# Altium PCB uStepper.PcbDoc (part 1 of 2)
Units mm, origin at the board's own origin, x right, y up, seen from the top; angles counter-clockwise.
Board outline 41.8 x 41.8 mm, 6 copper layers (Top Layer, GND, VCC, Signal, GND2, Bottom Layer), stack 1.55 mm thick; 134 components, 102 nets, 474 pads, 434 vias.
Unrouted connection lines stored in the file: 12.
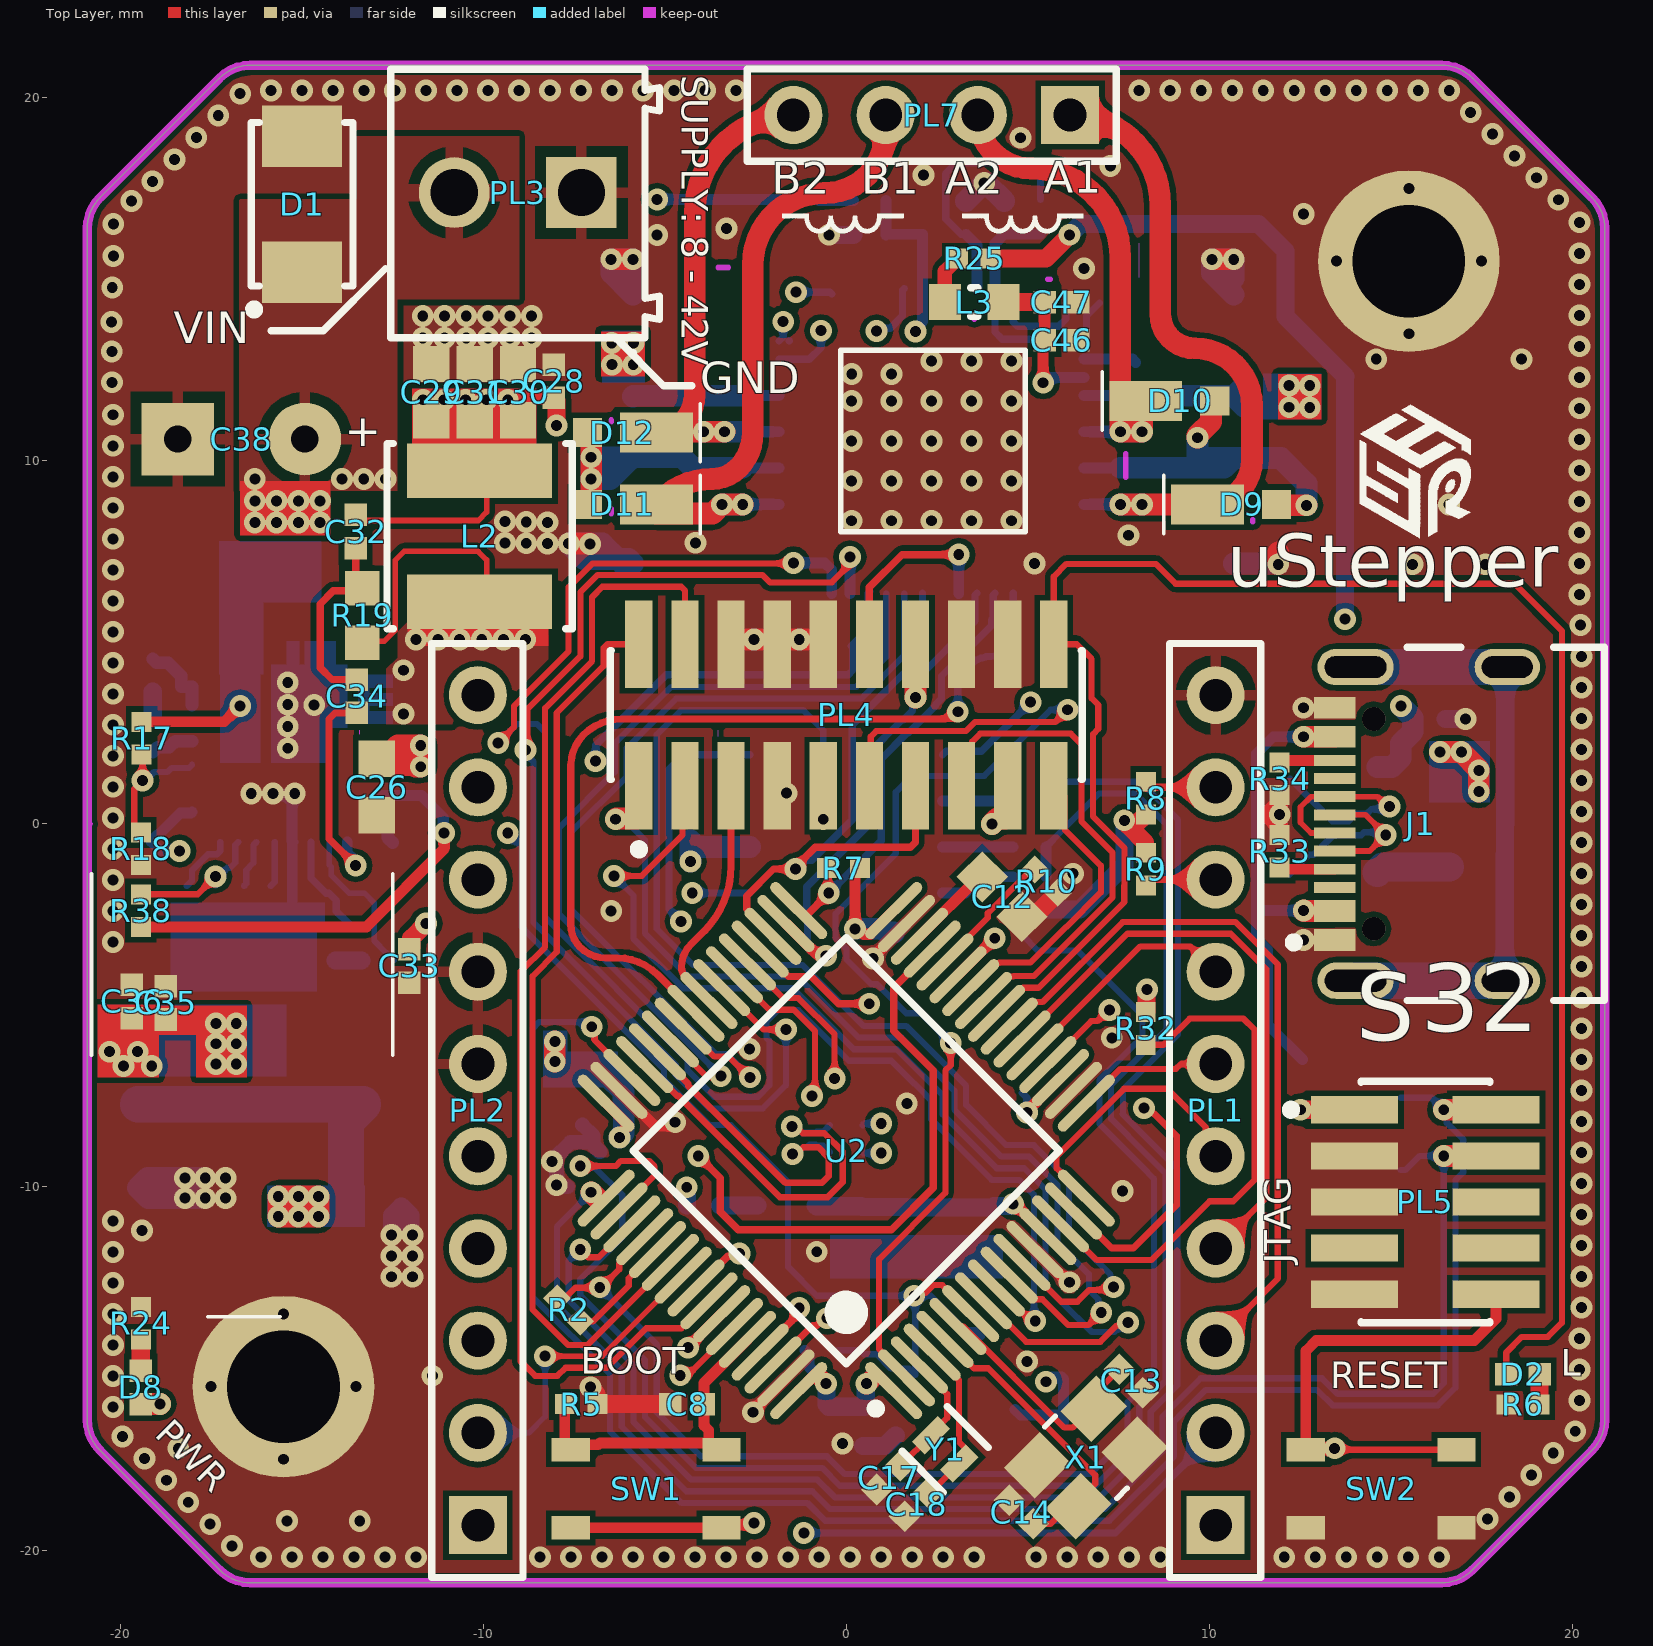
[diagram p0: Top Layer view]
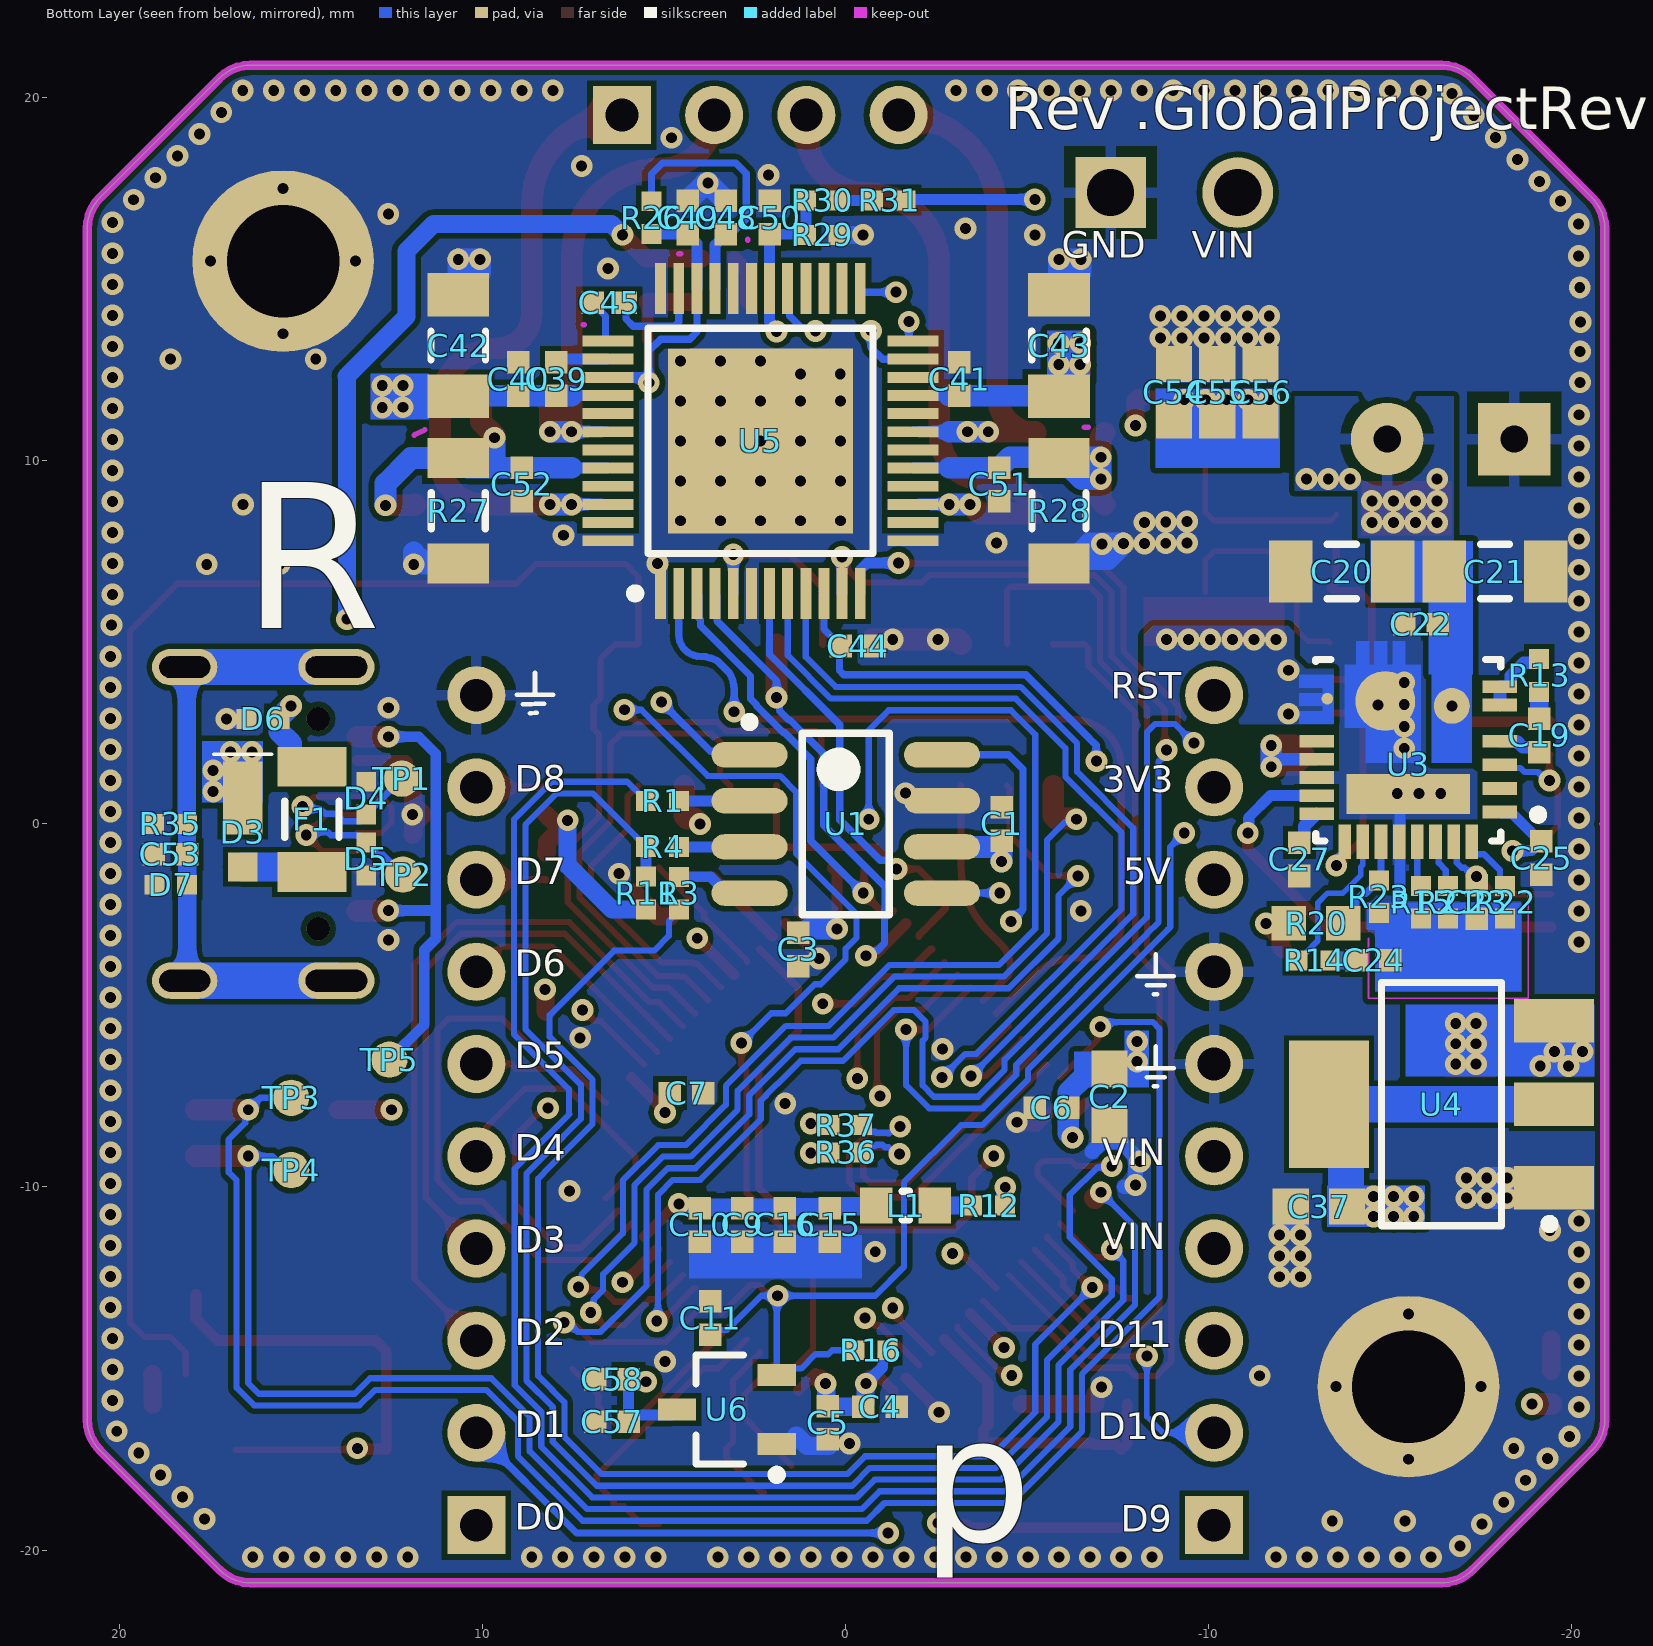
[diagram p1: Bottom Layer view, seen from below]
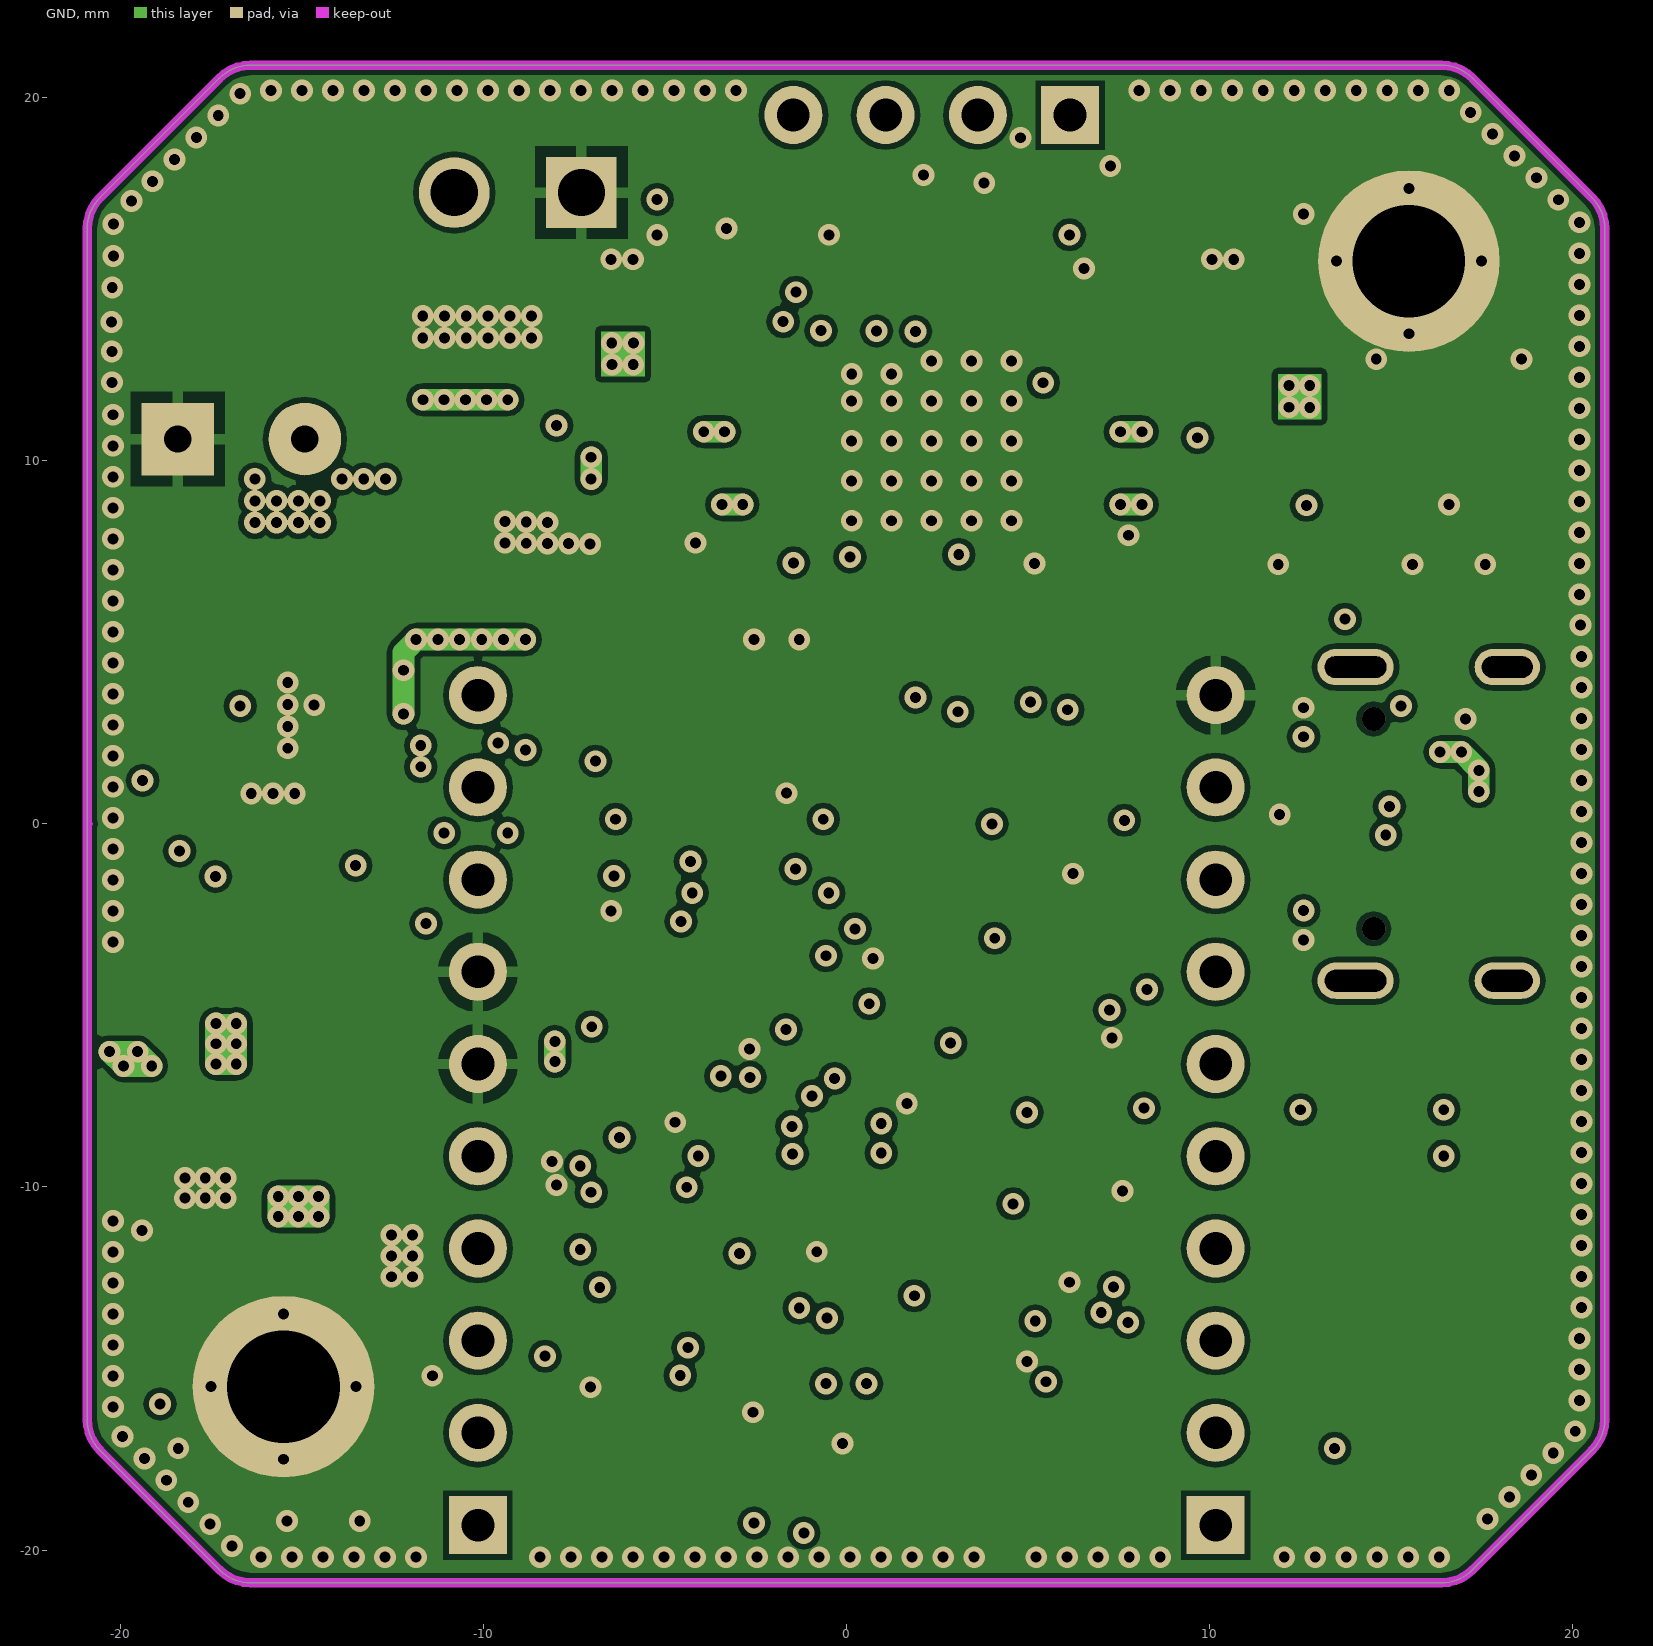
[diagram p2: GND]
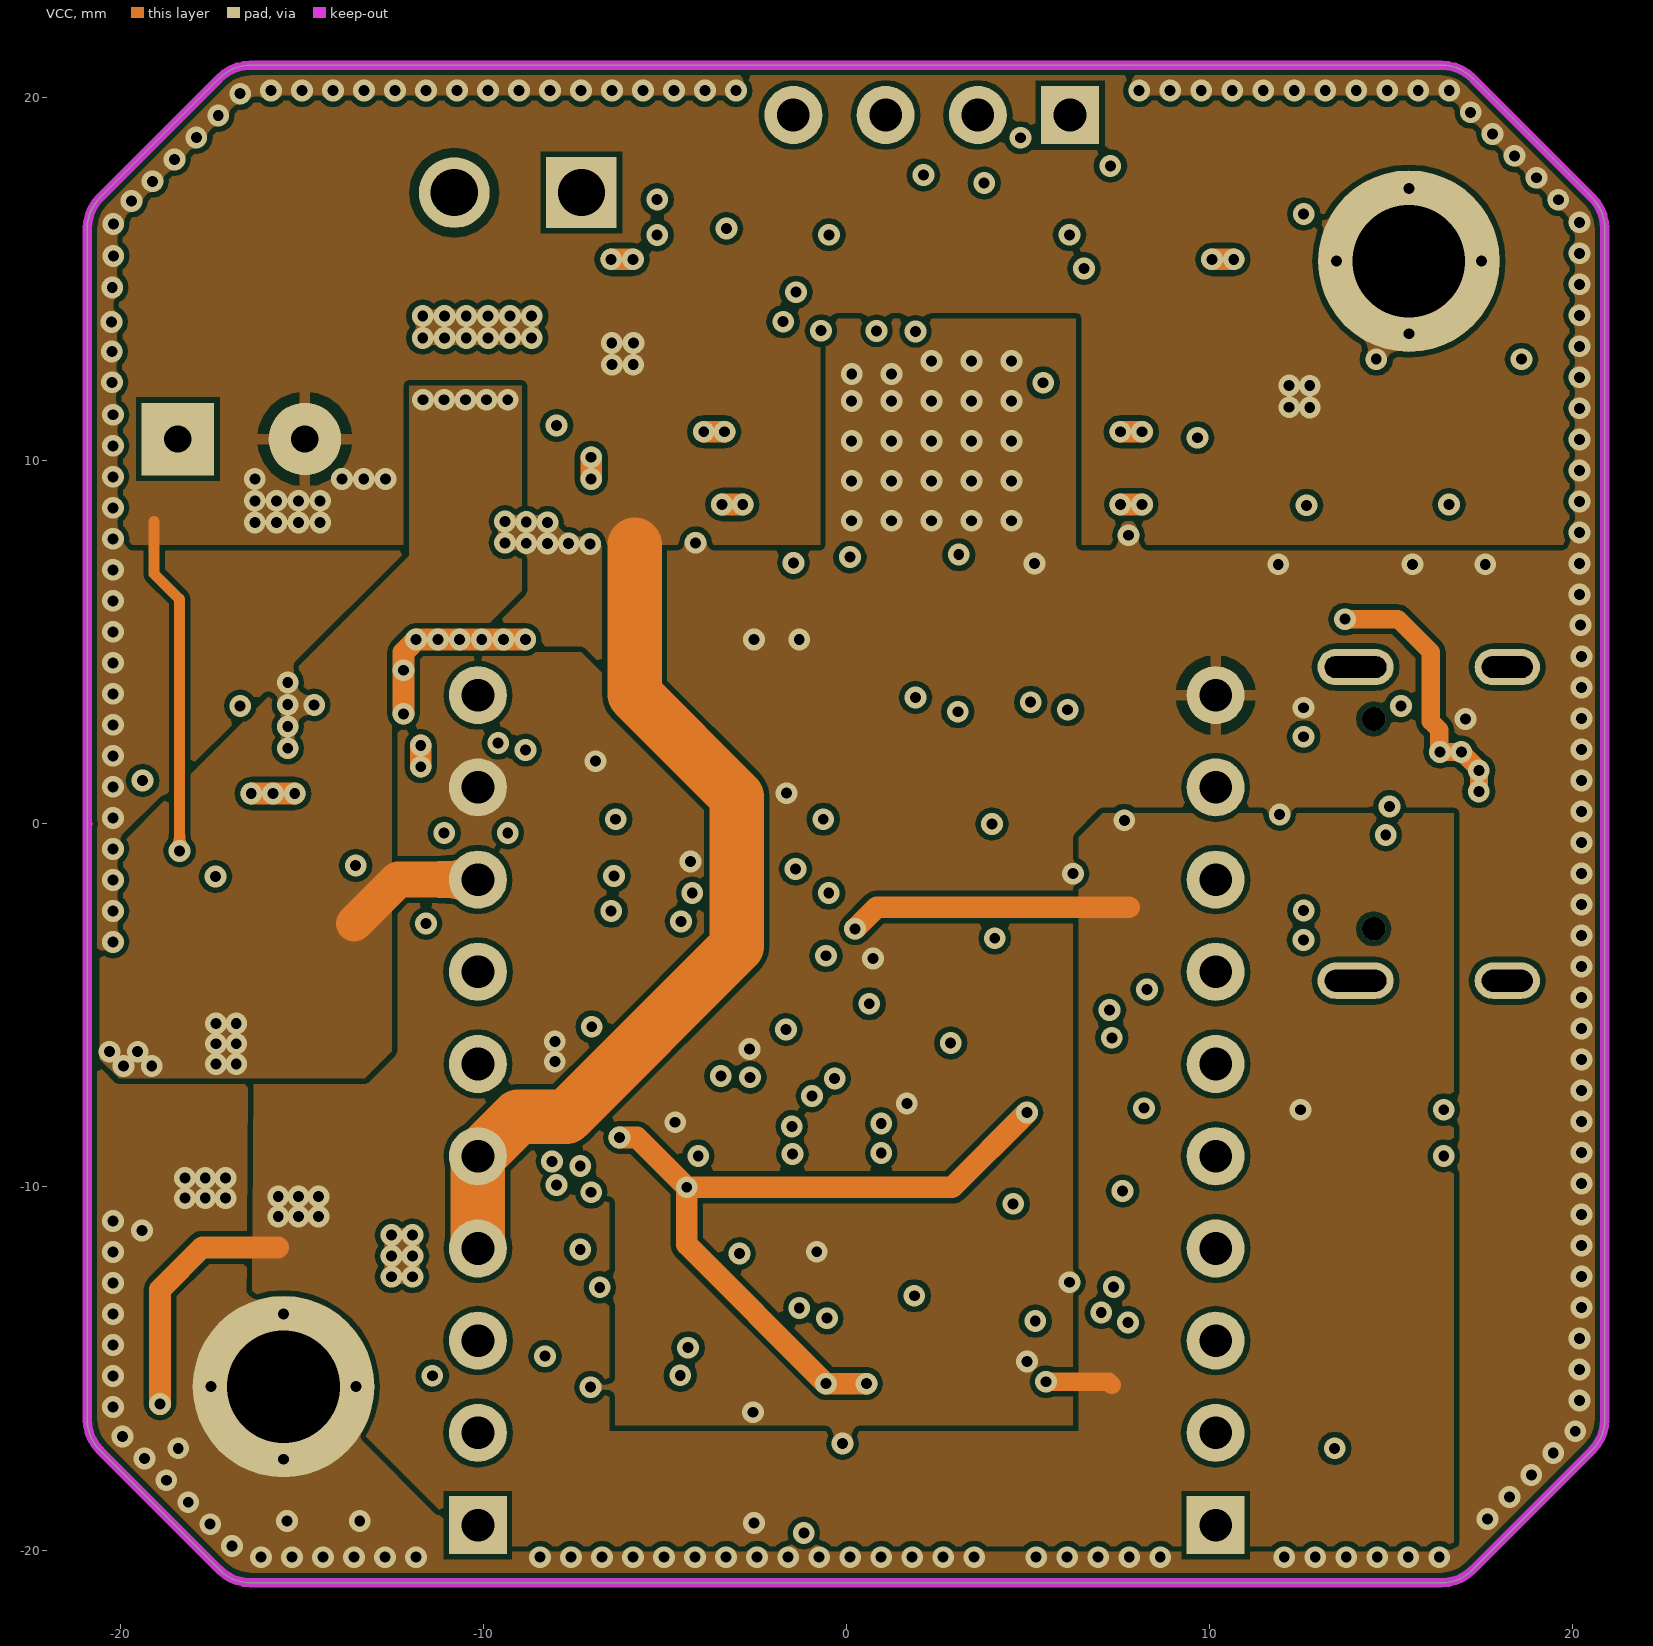
[diagram p3: VCC]